# Altium PCB PCB1.PcbDoc (continued)
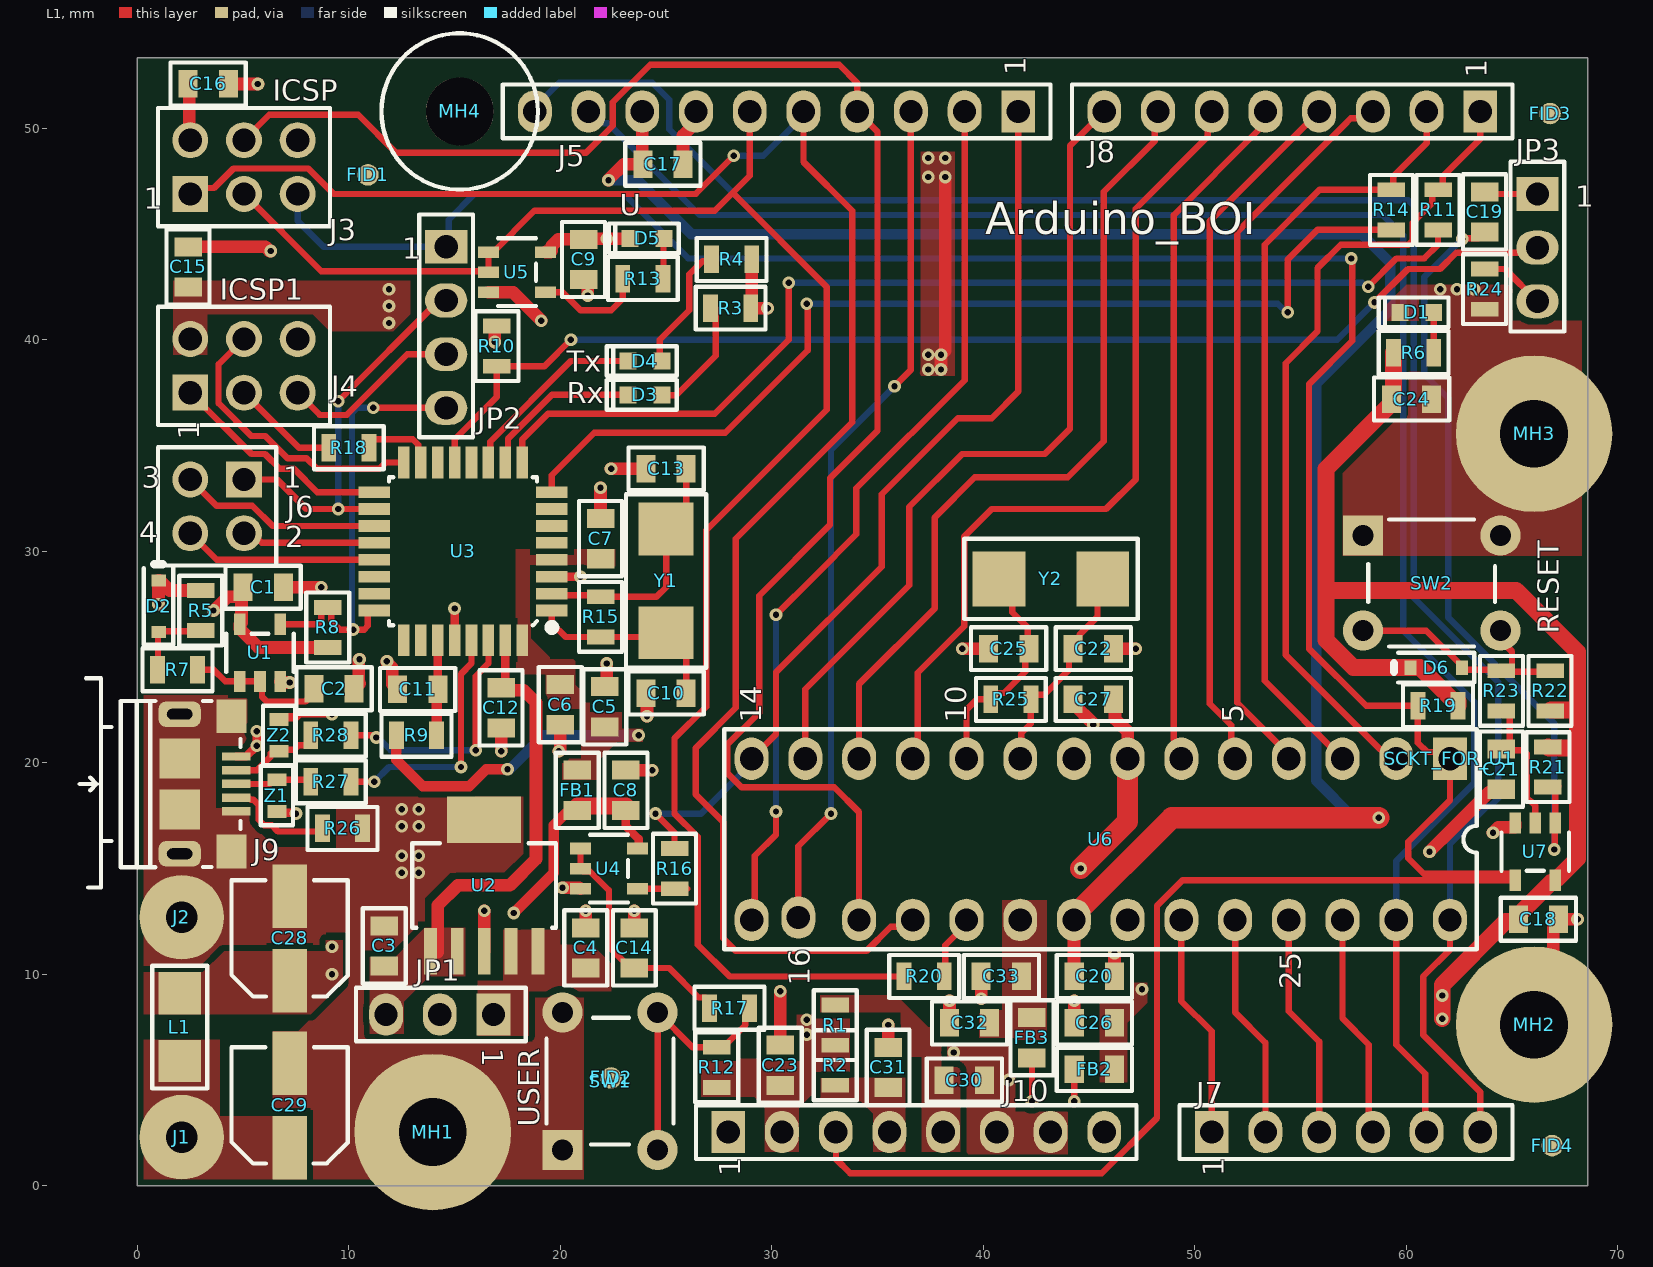
[diagram p0: L1 view]
## Part data (continued)
Z1 Z2: library part varasitor, "ESD Suppressor Multilayer Varistor 5V Automotive 2-Pin Case 0603(1608Metric) T/R", Capacitance=0.5pF, Case Code (Imperial)=0603, Case Code (Metric)=1608, Clamping Voltage=20V, Current Rating=50nA, Manufacturer=Bourns, Max Operating Temperature=85°C, Max Voltage Rating (DC)=5V, Min Operating Temperature=-40°C, Package Quantity=1, Voltage Rating (AC)=8V, Case/Package=0603, Category=Varistors, ComponentLink1Description=https://datasheet.ciiva.com/8084/mlc-8084047.pdf?src-supplier=Avnet, ComponentLink1URL=https://datasheet.ciiva.com/8084/mlc-8084047.pdf?src-supplier=Avnet, Contact Plating=Tin, Depth=0.8mm, Leakage Current=50nA, Length=1.6mm, Manufacturer Part Number=CG0603MLC-05E, Number of Channels=1, Number of Circuits=1, Number of Pins=2, Operating Supply Voltage=5V, Packaging="Tape and Reel", Pricing 1="5000=0.0812, 10000=0.0775, 25000=0.073, 50000=0.0676 (USD)", Radiation Hardening=No, Reach SVHC Compliant=No, RoHS=Yes, RoHS Compliant=Yes, Series=MLC, Stock 1=40000, Supplier 1="Arrow Electronics", Supplier Part Number 1=CG0603MLC-05E, Termination=SMD/SMT, Thickness=0.8mm, Voltage=5V, Voltage Rating (DC)=5V, Width=0.8mm, Working Voltage=5V

## Via types
v1: diameter 0.6, hole 0.3, L1 to L2, 104 vias

## Nets (pads, with @x,y where several pads share a name; then routed paths per layer and width w, separated by ;. In a path a pad name is that pad's centre, name@x,y a point inside that pad or via, vN(x,y) a via of type N, cw(c..) or ccw(c..) an arc to the next point about the centre after c; other vN are vias at no path point)
16U2_16MHz_XTAL1: C10.2 R15.2 U3.1 Y1.2 | length 9.6
  L1 w0.3: U3.1 19.6,26.6 20.25,25.95 R15.2 24.8,25.95 Y1.2 25.95,25.2 C10.2
16U2_16MHz_XTAL2: C13.2 R15.1 U3.2 Y1.1 | length 11.6
  L1 w0.3: U3.2 19.675,27.925 21.825,27.925 R15.1 24.55,27.85 25,28.3 Y1.1 25.95,32 C13.2
16U2_BUF_RESETn: C2.2 R7.2 U1.1 U1.2 | length 6.9
  L1 w0.3: R7.2 3.6,24.4 4.15,23.85 U1.1 U1.2 5.894,23.756 5.894,23.132 6.126,22.9 7.95,22.9 8.35,23.3 C2.2
16U2_HDR_RESETn: J4.5 JP2.3 | length 8.6
  L1 w0.3: J4.5 8.63,36.45 9.897,36.45 12.767,39.32 JP2.3
16U2_MISO: J4.1 U3.17 | length 10.6
  L1 w0.3: J4.1 5.4,34.6 6.035,34.6 6.735,33.9 7.407,33.9 8.507,32.8 U3.17
16U2_MOSI: J4.4 U3.16 | length 13.7
  L1 w0.3: J4.4 3.84,38.84 3.84,37.003 5.391,35.451 6.049,35.451 7.1,34.4 8,34.4 8.5,33.9 11.445,33.9 11.745,34.2 U3.16
16U2_PB4: J6.1 JP2.2 U3.18 | length 18.9
  L1 w0.3: J6.1 6.6,33.4 8,32 v1(9.5,32) U3.18 ; v1(9.5,37.1) 14.26,41.86 JP2.2
  L2 w0.3: v1(9.5,32) v1(9.5,37.1)
16U2_PB5: J6.3 U3.19 | length 9.6
  L1 w0.3: J6.3 3.742,32.158 5.439,32.158 6.397,31.2 U3.19
16U2_PB6: J6.2 U3.20 | length 6.4
  L1 w0.3: J6.2 5.419,30.86 5.879,30.4 U3.20
16U2_PB7: J6.4 U3.21 | length 9.2
  L1 w0.3: J6.4 3.76,29.6 U3.21
16U2_PD2: R14.1 U3.8 | length 48.5
  L1 w0.3: U3.8 19.6,33.6 21.6,35.6 27.8,35.6 31.7,39.5 31.7,41.65 v1(31.65,41.7) ; v1(54.4,41.3) 54.4,43.8 55.8,45.2 R14.1
  L2 w0.3: v1(31.65,41.7) 53.919,41.7 54.319,41.3 v1(54.4,41.3)
16U2_PD3: R11.1 U3.9 | length 50.6
  L1 w0.3: U3.9 18.2,35.286 19.414,36.5 27.3,36.5 30.8,40 v1(30.8,42.7) ; v1(58.196,42.511) 59.535,43.85 60.85,43.85 61.5,44.5 R11.1
  L2 w0.3: v1(30.8,42.7) 57.925,42.7 58.125,42.5 v1@58.185,42.5
16U2_RESETn: JP2.4 R8.1 U1.4 U3.24 | length 21.2
  L1 w0.3: U1.4 8.55,26.55 8.7,26.7 8.7,27.15 R8.1@8.9,27.35 ; R8.1 9.174,27.176 9.174,26.726 9.6,26.3 10.724,26.3 10.9,26.476 10.9,27.075 11.025,27.2 U3.24 ; v1(11.156,36.79) 11.161,36.785 14.595,36.785 JP2.4
  L2 w0.3: v1(10.2,26.3) 10.15,26.35 10.15,36.546 10.394,36.79 v1(11.156,36.79)
16U2_Rx_LED: D3.1 U3.10 | length 7.7
  L1 w0.3: U3.10 17.525,34.325 17.525,35.318 19.607,37.4 20.2,37.4 ; 20.207,37.4 D3.1
16U2_SCLK: J4.3 R18.1 | length 5.1
  L1 w0.3: J4.3 7.64,34.9 R18.1
16U2_SCLKR: R18.2 U3.15 | length 3.6
  L1 w0.3: R18.2 10.95,35.1 11.15,35.3 13.02,35.3 13.275,35.045 13.275,34.325 U3.15
16U2_Tx_LED: D4.1 U3.11 | length 9.1
  L1 w0.3: U3.11 16.681,34.281 16.681,35.181 20.5,39 21.1,39 D4.1
16U2_UCAP: C11.2 R9.1 U3.27 | length 4.5
  L1 w0.3: C11.2@14.15,23.413 C11.2
  L1 w0.4: C11.2 U3.27@14.207,25.793
  L1 w0.5: R9.1 C11.2@14.15,23.413
16U2_VCC: C5.2 C6.2 C7.2 FB1.2 R9.2 U3.4 U3.32 | length 13.7
  L1 w0.5: R9.2 12.25,20.15 13.5,18.9 15.7,18.9 16.5,19.7 v1(17.5,19.7)
  L2 w0.5: v1@17.6,19.7 19.2,21.3 v1@23.4,21.3
  other v1: 23.7,21.3
16U2PROG_328P_RESETn: JP3.2 R10.1 U3.13 | length 56.9
  L1 w0.3: U3.13 15,35.3 17,37.3 R10.1 19.25,38.75 v1(20.5,40) ; v1(58.5,41.771) 60.079,43.35 61.594,43.35 62.361,44.117 65.957,44.117 JP3.2
  L2 w0.3: v1(20.5,40) 56.729,40 v1(58.5,41.771)
328P_16MHz_XTAL1: C22.2 R25.2 U6.9 Y2.2 | length 10.4
  L1 w0.3: U6.9 41.8,20.248 41.8,21.4 42.25,21.85 42.25,23.019 42.45,23.219 42.874,23.219 44.055,24.4 44.055,25.205 44.55,25.7 44.55,26.05 45.4,26.9 45.4,28.45 Y2.2
328P_16MHz_XTAL2: C25.2 R25.1 U6.10 Y2.1 | length 10.9
  L1 w0.3: U6.10 39.205,22.505 39.7,23 R25.1 40.35,23.099 40.55,23.299 40.974,23.299 41.976,24.3 41.976,25.226 C25.2 42.1,25.45 42.1,26.4 41.374,27.126 41.374,28.076 Y2.1
328P_AUTORESETn: C19.1 R21.1 U7.1 | length 36.4
  L1 w0.3: v1(62.643,44.767) 62.676,44.8 63.4,44.8 C19.1 ; v1(67,15.9) 67.025,15.925 67.025,17.125 U7.1 67.05,18.75 R21.1@67.2,18.9
  L2 w0.3: v1(62.643,44.767) 60.85,42.974 60.85,38.378 61.99,37.238 61.99,26.872 67,21.862 v1(67,15.9)
328P_AVCC: C32.2 C33.2 FB3.2 U6.20
328P_BUF_RESETn: C21.2 R23.2 U7.2 | length 6.1
  L1 w0.3: R23.2@64.9,22.4 64.9,20.65 64.95,20.65 65,20.6 65.524,20.6 65.7,20.424 65.7,18.355 65.905,18.15 65.924,18.15 66.1,17.974 U7.2
328P_MISO: J3.1 J5.5 U6.18 | length 85.2
  L1 w0.3: J3.1 2.781,47.181 3.624,47.181 4.543,48.1 8.077,48.1 9.277,46.9 26.4,46.9 v1(28.2,48.7) ; J5.5 31.496,48.411 33.8,46.107 33.8,36.1 28.3,30.6 28.3,22.6 26.4,20.7 26.4,18.5 27.7,17.2 27.7,11.7 28.3,11.1 34.478,11.1 35.624,12.246 36.338,12.246 U6.18
  L2 w0.3: v1(28.2,48.7) 29.596,48.7 31.496,50.6 J5.5
328P_MOSI: J3.4 J5.4 U6.17 | length 81
  L1 w0.3: J3.4 6.24,50.64 10.438,50.64 12.228,48.85 21.212,48.85 22.486,50.124 22.486,51.236 24.25,53 33.181,53 34.036,52.145 J5.4 35,49.836 35,35.7 32.75,33.45 32.75,31.25 29.4,27.9 29.4,22.374 27.895,20.869 27.895,19.517 28.569,18.843 32.957,18.843 34.125,17.675 U6.17
328P_RESETn: J3.5 J10.3 JP2.1 R19.1 U6.1 U7.4 | length 140.2
  L1 w0.3: J10.3 33.034,2.526 33.034,1.266 33.7,0.6 45.606,0.6 48.215,3.209 48.215,13.249 49.416,14.45 U7.4 65.15,14.625 65.025,14.75 60.831,14.75 60.1,15.481 60.1,16.27 62.065,18.235 U6.1 61.749,20.509 60.991,20.509 60.55,20.95 R19.1 58.1,22.7 55.4,25.4 55.4,37.9 57.45,39.95 57.45,43.8 v1(57.4,43.85)
  L2 w0.3: J3.5 7.58,45.62 8.8,44.4 14.718,44.4 14.718,45.68 15.938,46.9 23,46.9 26.05,43.85 v1(57.4,43.85)
328P_SCK: J3.3 J5.6 R20.2 U5.1 U5.2 | length 82.1
  L1 w0.3: J3.3 8.69,43.25 16.55,43.25 U5.2 U5.1 16.825,44.15 18.775,46.1 27.3,46.1 28.15,46.95 ; J5.6 28.956,47.756 28.15,46.95 ; R20.2 28,9.9 26.5,11.4 26.5,16.5 25.4,17.6 25.4,21.155 26.9,22.655 26.9,31 32.6,36.7 32.6,42.5 28.15,46.95
328P_SCKR: R20.1 U6.19 | length 3.1
  L1 w0.3: R20.1 38.2,9.95 38.2,11.368 39.205,12.373 U6.19
328P_SS: J5.3 U6.16 | length 40.3
  L1 w0.3: U6.16 31.255,16.055 v1(32.8,17.6) ; v1(35.8,37.8) 36.576,38.576 J5.3
  L2 w0.3: v1(32.8,17.6) 32.8,34.8 v1(35.8,37.8)
328P_VCC: C26.2 C27.2 FB2.2 U6.7 | length 9.3
  L1 w0.6: C27.2 46.224,22.926 46.224,22.076 46.833,21.467 46.833,20.201 U6.7 U6.7@46.9,20.118
  L1 w1: v1(44.6,15) 46.825,17.225 U6.7
  other v1: 47.5,9.3
+3V3: C4.2 C31.2 J10.4 JP1.1 R2.2 U2.4 U2.5
+5V: C3.2 C12.2 C29.1 C30.2 J1.1 J10.5 JP1.3 L1.2 R1.1 U2.1 U2.2 U3.31 | length 19.3
  L1 w0.4: C12.2@17.4,23.7 U3.31
  L1 w0.5: U2.1@14.12,11.13 14.2,11.05
  L1 w0.6: 14.2,11.05 14.2,13.25 15.162,14.212 17.612,14.212 18.85,15.45 18.85,22.85 18.261,23.439 17.311,23.439 C12.2
+5V/3V3: C1.2 C8.2 C9.2 C15.2 C16.2 C18.2 C23.2 C24.2 D2.1 D5.1 D6.1 FB1.1 FB2.1 FB3.1 J3.2 J4.2 J10.2 JP1.2 R1.2 R2.1 R3.1 R4.2 R5.2 R6.2 R8.2 R10.2 R12.2 R19.2 R21.2 R22.2 U1.5 U4.5 U5.5 U7.5 | length 95.6
  L1 w0.3: v1(42.3,4) FB3.1 ; v1(44.3,4) FB2.1
  L1 w0.4: C8.2@23.1,17.95 23.1,17 23.7,16.4 23.7,16 U4.5
  L1 w0.5: v1(17.8,12.9) 19.693,14.793 19.693,17.043 20.6,17.95 FB1.1@20.8,17.95
  L1 w0.6: v1(1,27.5) D2.1 1.064,28.619 1.533,28.15 R5.2 ; C16.2 2.45,52.05 2.45,49.49 J3.2 ; v1(3.6,27.2) 3.616,27.2 4.266,27.85 4.75,27.85 C1.2@4.925,28.025 ; C1.2@4.925,28.225 C1.2 5,28.1 C1.2@4.925,28.025 ; R8.2 5.725,25.45 4.85,26.325 U1.5 4.925,26.625 C1.2@4.925,28.025 ; v1(16.9,39.9) 16.9,40.6 16.95,40.65 R10.2 ; U5.5 19.525,44.15 19.6,44.225 19.6,44.45 19.9,44.75 C9.2 21.125,44.775 v1(22.2,44.775) 23.275,44.775 D5.1 ; R4.2 29.05,41.55 R3.1 v1(29.8,41.5)
  L1 w0.8: FB1.1@20.8,17.95 C8.2@23.1,17.95 ; R6.2 59.4,37.5 59.3,37.4 C24.2 59.3,37 56.2,33.9 56.2,28.3 ; v1(61.7,7.9) 61.7,9.5 64.7,12.5 65.25,12.5 65.3,12.55 C18.2 65.3,12.8 U7.5@66.85,14.35 ; R19.2 62.45,22.9 62.4,22.95 62.2,22.95 60.65,24.5 57.508,24.5 56.2,25.808 56.2,28.3 ; R21.2 66.75,20.7 68.1,20.7 ; R22.2@66.85,22.5 68.1,22.5 ; U7.5@67.175,14.55 68.1,15.475 68.1,20.7 ; 56.2,28.3 56.35,28.15 65.199,28.15 68.1,25.249 68.1,22.5 ; 68.1,20.7 68.1,22.5
  other v1: 31.657,7.15 31.657,7.85 61.7,9 11.9,40.8 11.9,41.6 11.9,42.4
+5V_USB: C28.1 J9.1 L1.1 | length 1.9
  L1 w0.4: J9.1 5.145,20.3 v1(5.65,20.805) v1(5.65,21.5)
  other v1: 9.2,10 9.2,11.3
+AREF: C17.2 C20.2 J5.8 U6.21 | length 91.9
  L1 w0.6: v1(22.274,47.55) 22.274,47.574 23,48.3 C17.2 23.876,48.324 J5.8 ; U6.21@44.285,12.773 U6.21 44.285,9.915 C20.2
  L1 w1: U6.21@44.285,12.773 48.912,17.4 v1(58.7,17.4)
  L2 w0.5: v1(22.274,47.55) 23.65,47.55 26.2,45 57.9,45 59.25,43.65 59.25,41.431 55.735,37.916 55.735,19.165 57.5,17.4 v1(58.7,17.4)
AD0: J7.1 U6.23 | length 10.6
  L1 w0.3: U6.23 49.365,8.735 50.8,7.3 J7.1
AD1: J7.2 U6.24 | length 10.6
  L1 w0.3: U6.24 51.905,8.195 53.34,6.76 J7.2
AD2: J7.3 U6.25 | length 10.6
  L1 w0.3: U6.25 54.445,8.255 55.88,6.82 J7.3
AD3: J7.4 U6.26 | length 10.6
  L1 w0.3: U6.26 56.985,7.915 58.231,6.669 58.231,2.729 J7.4
AD4/SDA: J5.9 J7.5 U6.27 | length 86.9
  L1 w0.3: U6.27 59.525,6.675 60.9,5.3 60.9,2.6 J7.5
  L2 w0.3: J5.9 21.488,50.8 22.04,50.248 22.252,50.248 26.6,45.9 58.9,45.9 59.85,44.95 59.85,26.25 63.215,22.885 63.215,19.048 59.525,15.358 U6.27
AD5/SCL: J5.10 J7.6 U6.28 | length 93.6
  L1 w0.3: U6.28 62.065,11.165 60.8,9.9 60.8,7.132 63.5,4.432 J7.6
  L2 w0.3: J5.10 18.796,51 19.946,52.15 24.352,52.15 25.146,51.356 25.146,49.954 28.5,46.6 60.1,46.6 60.35,46.35 60.35,27.804 64.35,23.804 64.35,18.331 63.969,17.95 63.833,17.95 62.065,16.182 U6.28
BUTTON_RESETn: D6.2 R22.1 R23.1 SW2.3 SW2.4 | length 12.3
  L1 w0.3: SW2.3 60.952,26.25 62.638,24.563 D6.2 62.738,24.4 64.8,24.4 R23.1@64.9,24.3 ; SW2.4 64.45,25.817 65,25.267 65,24.4 R23.1@64.9,24.3 ; R22.1@67.2,24.3 R23.1@64.9,24.3
CON_USB_N: J9.2 R28.1 Z2.2 | length 4.5
  L1 w0.3: J9.2 5.65,19.65 6.3,20.3 6.3,20.45 6.468,20.618 7.418,20.618 7.632,20.832 8,20.832 8.2,21.032 R28.1
CON_USB_P: J9.3 R27.1 Z1.2 | length 3.6
  L1 w0.3: J9.3 6.25,19 6.45,19.2 Z1.2 8.1,19.2 R27.1
GND: C1.1 C2.1 C3.1 C4.1 C5.1 C6.1 C7.1 C8.1 C9.1 C10.1 C11.1 C12.1 C13.1 C14.1 C15.1 C16.1 C17.1 C18.1 C20.1 C21.1 C22.1 C23.1 C24.1 C25.1 C26.1 C27.1 C28.2 C29.2 C30.1 C31.1 C32.1 C33.1 D1.1 J2.1 J3.6 J4.6 J5.7 J9.5 J9.6 J9.7 J9.8 J9.9 J9.10 J9.11 J10.6 J10.7 MH1.1 MH2.1 MH3.1 R24.1 R26.2 SW1.1 SW1.2 SW2.1 SW2.2 U1.3 U2.3 U2.6 U3.3 U3.28 U4.3 U5.3 U6.8 U6.22 U7.3 Z1.1 Z2.1 | length 70.8
  L1 w0.4: Z1.1 6.662,17.638 7.462,17.638 v1(7.5,17.6) ; Z2.1 6.8,22.15 7.484,22.15 7.684,22.35 9.096,22.35 9.146,22.3 v1(9.2,22.3) ; U3.28 v1(15,27.3) ; U3.3 v1(20.95,28.8)
  L1 w0.6: C15.1 6.046,44.4 6.246,44.2 v1(6.3,44.2) ; C16.1 v1(5.7,52.1) ; U1.3 6.8,23.8 v1(7.2,23.8) ; C1.1 v1(8.7,28.3) ; C2.1 10.5,23.75 10.462,23.788 10.462,24.862 v1(10.5,24.9) ; v1(11.8,24.8) 11.8,24.746 12.057,24.489 12.057,23.72 C11.1 ; U2.3 v1(16.4,13) ; U5.3 17.766,42.25 19.1,40.916 v1(19.1,40.9) ; v1(17.2,20.55) C12.1 ; v1(19.932,20.55) 20,20.618 C6.1 ; v1(20.1,14.1) 20.9,14.1 U4.3 ; C9.1 21.15,42.85 21.3,42.7 v1(21.3,42.1) ; C4.1 v1(21.2,13) ; C7.1 v1(21.9,33) ; C5.1 22.2,23.7 v1(22.2,24.7) ; v1(22.4,33.9) C13.1 ; C8.1 v1(24.35,19.65) ; C14.1 v1(23.5,13) ; C10.1 24.1,23.25 v1(24.1,22.2) ; C17.1 25.8,49.659 26.416,50.275 J5.7 ; C23.1 30.394,6.656 30.394,9.194 v1(30.4,9.2) ; C31.1 v1(35.5,7.6) ; v1(38,38.6) v1(38,39.3) 38.2,39.5 v1(38.2,47.7) ; C32.1 v1(38.4,8.75) ; v1(39,25.4) C25.1 ; v1(39.9,8.85) C33.1 ; C27.1 44.25,22.8 45.2,21.85 v1(45.2,21.8) ; C26.1 v1(44.3,8.75) ; C22.1 v1(47.2,25.4) ; C20.1 v1(46.2,11) ; v1(61.1,15.8) 62.161,16.861 63.9,18.6 64.55,18.6 C21.1@64.8,18.85 ; v1(64.1,16.7) 64.35,16.95 65.125,16.95 65.15,16.975 U7.3 ; MH2.1 66.95,8.53 66.95,12.35 C18.1 v1(68.1,12.6)
  other v1: 41.2,5 38.6,6.3 12.5,14.8 13.3,14.8 12.5,15.6 13.3,15.6 12.5,17 13.3,17 12.5,17.8 13.3,17.8 37.4,38.6 37.4,39.3 61.6,42.4 62.4,42.4 63.2,42.4 37.4,47.7 37.4,48.6 38.2,48.6
IO0/Rx: J8.1 R11.2 U6.2 | length 38.7
  L1 w0.3: U6.2 59.076,20.642 58.758,20.642 54.3,25.1 54.3,38.9 55.8,40.4 55.8,43.4 56.9,44.5 60.095,44.5 60.3,44.705 60.3,45.545 61.226,46.471 61.226,46.95 61.426,47.15 R11.2@61.5,47.15 ; R11.2@61.574,47.15 61.724,47.3 61.724,47.724 63.5,49.5 J8.1
IO1/Tx: J8.2 R14.2 U6.3 | length 37.3
  L1 w0.3: U6.3 53.3,23.878 53.3,44.5 55.896,47.096 59.296,47.096 59.376,47.176 59.376,47.724 60.96,49.308 J8.2
IO2: J8.3 U6.4 | length 34.7
  L1 w0.3: U6.4 54.445,20.393 52,22.838 52,45.1 56.35,49.45 56.356,49.45 57.03,50.124 57.03,50.13 57.376,50.476 58.096,50.476 J8.3
"IO3 ~": J8.4 U6.5 | length 33.3
  L1 w0.3: U6.5 51.722,20.376 51.722,21.778 50.7,22.8 50.7,45.62 J8.4
IO4: J8.5 U6.6 | length 32.6
  L1 w0.3: U6.6 49.365,20.745 49,21.11 49,45.9 52.936,49.836 52.936,49.844 53.34,50.248 J8.5
"IO5 ~": J8.6 U6.11 | length 39.6
  L1 w0.3: U6.11 36.9,20.428 36.9,24.264 39.1,26.464 39.1,30.7 40.4,32 45.8,32 47.2,33.4 47.2,46.2 50.616,49.616 50.616,50.616 J8.6
"IO6 ~": J8.7 U6.12 | length 39
  L1 w0.3: U6.12 34.125,23.725 37.7,27.3 37.7,31.6 39.6,33.5 44,33.5 45.7,35.2 45.7,47 48.1,49.4 48.1,50.64 J8.7
IO7: J8.8 U6.13 | length 38.7
  L1 w0.3: U6.13 31.585,23.485 36.5,28.4 36.5,32.1 39,34.6 42.9,34.6 44.1,35.8 44.1,49.18 J8.8
IO8: J5.1 R16.2 U6.14 | length 44.5
  L1 w0.3: v1(24.5,17.6) 25.4,16.7 R16.2 ; U6.14 30.2,21.348 30.2,24.279 35.2,29.279 35.2,32.7 38.8,36.3 40.4,36.3 41.656,37.556 J5.1
  L2 w0.3: v1(24.5,17.6) 26.652,17.6 29.045,19.993 U6.14
IO9: J5.2 U6.15 | length 42.4
  L1 w0.3: U6.15 29.2,12.728 29.2,15.6 30.2,16.6 v1(30.2,17.7) ; v1(30.2,27) 32.029,28.829 34,30.8 34,32.979 39.116,38.095 J5.2
  L2 w0.3: v1(30.2,17.7) v1(30.2,27)
NetC19_2: C19.2 JP3.1 | length 2.5
  L1 w0.3: C19.2 63.8,46.9 JP3.1
NetD1_2: D1.2 R6.1 | length 1.9
  L1 w0.3: R6.1 D1.2
NetD2_2: D2.2 R5.1 R7.1 | length 3.8
  L1 w0.3: R7.1 0.975,24.425 0.975,26.156 D2.2 1.035,26.215 2.965,26.215 R5.1
NetD3_2: D3.2 R3.2 | length 5.5
  L1 w0.3: D3.2@24.842,37.3 24.916,37.374 25.474,37.374 27.35,39.25 ; 27.35,39.3 R3.2@27.35,41.5
NetD4_2: D4.2 R4.1 | length 6.3
  L1 w0.3: D4.2@24.7,38.9 24.7,40 26.1,41.4 26.1,43.1 26.726,43.726 27.276,43.726 R4.1@27.35,43.8
NetD5_2: D5.2 R13.2 | length 1.9
  L1 w0.3: R13.2 24.875,42.925 24.875,44.775 D5.2
NetJ9_4: J9.4 R26.1 | length 5.2
  L1 w0.3: J9.4 4.725,18.3 5.321,18.3 5.371,18.25 5.49,18.25 5.748,17.992 5.748,17.308 6.005,17.05 6.35,17.05 6.65,16.75 8.6,16.75 R26.1
NetJP3_3: JP3.3 R24.2 | length 3.1
  L1 w0.3: R24.2 64.67,43.35 JP3.3
NetR13_1: R13.1 U5.4 | length 5.2
  L1 w0.3: U5.4 20.105,42.25 20.955,41.4 22.4,41.4 22.95,41.95 R13.1
NetR16_1: R16.1 U4.4 | length 2.3
  L1 w0.3: U4.4 R16.1@26,14.05
USB_N: R28.2 U3.30 | length 11.6
  L1 w0.3: R28.2 11.119,21.3 11.219,21.2 v1(11.3,21.2) ; v1(16,20.6) 16,24.1 16.6,24.7 U3.30
  L2 w0.3: v1(11.3,21.2) 11.373,21.2 11.973,20.6 v1(16,20.6)
USB_P: R27.2 U3.29 | length 11.7
  L1 w0.3: R27.2 v1(11.2,19.1) ; v1(15.3,19.8) 15.3,24.2 15.8,24.7 U3.29
  L2 w0.3: v1(11.2,19.1) 11.9,19.8 v1(15.3,19.8)
USER_BUTTON: R12.1 R17.1 SW1.3 SW1.4 | length 12.7
  L1 w0.3: SW1.3 SW1.4 26.25,6.55 R12.1 27.7,6.55 28.75,7.6 28.75,8.2 R17.1
USER_BUTTON_BUF: C14.2 R17.2 U4.1 U4.2 | length 11.5
  L1 w0.3: U4.1 U4.2 21.075,14.875 21.395,14.875 22.297,13.972 22.297,11.303 23.3,10.3 C14.2 25.15,10.3 26.55,8.9 26.85,8.9 27.05,8.7 R17.2
pads on no net: FID1.1 FID2.1 FID3.1 FID4.1 J10.1 J10.8 MH4.1 U3.5 U3.6 U3.7 U3.12 U3.14 U3.22 U3.23 U3.25 U3.26

## Polygon pours and split planes (outlines as drawn)
GND on L2 "GND_L02_P009" (solid, remove dead copper, pour order 9): 0.3,50.5 5.3,50.5 5.3,22 6.2,22 6.2,18.6 8.3,16.5 8.8,16.5 8.8,12.3 9.8,12.3 9.8,11.7 15.3,11.7 16.8,13.2 19.3,13.2 21.4,11.1 27.513,11.1 29.86,8.9 33.8,8.9 38.25,4.45 50.55,4.45 56.4,10.3 62.7,10.3 65.1,12.7 65.1,18.4 61.5,18.4 60.1,17 57.3,17 55,19.3 55,39.3 32.2,39.3 17.2,39.3 16.3,38.4 11.3,38.4 11.3,53 11.4,53.1 0.3,53.1
+5V/3V3 on L2 "+5V/3V3_L02_P007" (solid, remove dead copper, pour order 7): 15.6,43.3 11.4,43.3 11.5,38.6 16.1,38.6 18.4,40.9 18.4,43.6 20.9,43.6 24.2,40.3 30.7,40.3 30.7,43.6 25,43.6 22.1,46.5 18.2,46.5 16.2,44.2 16.2,43.3
+5V_USB on L2 "+5V_USB_L02_P006" (solid, remove dead copper, pour order 6): 9.6,9.9 9.6,12.2 8.6,12.2 8.6,16.2 8.2,16.2 6,18.4 6,21.8 5.4,21.8 5.4,21.7 5.4,17.2 7.7,14.9 7.7,9.9
+5V/3V3 on L2 "+5V/3V3_L02_P005" (solid, remove dead copper, pour order 5): 0.3,6 7.7,6 11.1,9.4 12.8,9.4 12.8,7.3 15.267,7.3 15.267,8.967 16.3,10 22.4,10 23.6,8.8 24.2,9.4 25.8,9.4 25.8,7 27.9,4.9 34.6,4.9 35.7,3.8 39.8,3.8 39.8,0.5 62.4,0.5 62.4,9.1 62.4,10 61.7,10 56.4,10 50.5,4.3 38.2,4.3 33.7,8.8 29.7,8.8 27.45,10.9 21.3,10.9 19.2,13 17.1,13 15.267,11.5 14.5,11.5 9.9,11.5 9.9,9.6 7.4,9.6 7.4,14.7 5.1,17 5.1,50.2 1.4,50.2 0.3,49.1
328P_VCC on L2 "328P_VCC_L02_P002" (solid, remove dead copper, pour order 2): 46.3,13.6 47.5,13.6 48.1,13 47.9,12.8 47.9,10 47.8,10 47.2,9.4 47.226,9.374 47.226,8.949 50.629,8.949 50.64,8.938 50.726,9.024 50.726,15.9 44.3,15.9 44.3,14.4 45.5,14.4
+5V/3V3 on L2 "+5V/3V3_L02_P023" (solid, remove dead copper, pour order 23): 29.7,1.6 31.3,1.6 31.3,3.5 32,4.2 32,5.4 33.7,5.4 33.7,8.1 31.4,8.1 31.4,5.9 26.7,5.9 26.7,4.3 28.9,4.3 29.7,3.5
GND on L2 "GND_L02_P015" (solid, remove dead copper, pour order 15): 68.3,47.1 68.3,30.4 62.5,30.4 62.4,30.5 62.4,37.4 61.3,38.5 61.3,42.7 64.1,45.5 64.1,47.1
GND on L2 "GND_L02_P014" (solid, remove dead copper, pour order 14): 62.4,0.9 68.3,0.9 68.3,12.9 65.3,12.9 62.4,10
GND on L2 "GND_L02_P010" (solid, remove dead copper, pour order 10): 18.6,39.3 18.6,43.5 20.8,43.5 24.9,39.4 24.9,39.3 18.6,39.3
GND on L2 "GND_L02_P008" (solid, remove dead copper, pour order 8): 25.8,53 68.3,53 68.3,47.1 28.3,47.1 25.8,49.6
+3V3 on L2 "+3V3_L02_P004" (solid, remove dead copper, pour order 4): 15.6,6.9 15.6,9.8 22.093,9.8 27.828,4.6 36.5,4.6 36.5,2 28.3,1.7 24.636,4.9 20.487,4.9 18.313,6.9
+5V on L2 "+5V_L02_P003" (solid, remove dead copper, pour order 3): 0.3,5.7 7.8,5.7 11.2,9.1 12.5,9.1 12.5,6.7 18.182,6.7 20.473,4.6 24.5,4.6 26.5,2.9 26.5,1.3 36.2,1.3 36.9,2 36.9,3.5 39.5,3.5 39.5,0.4 0.3,0.4
GND on L1 "GND_L01_P035" (solid, remove dead copper, pour order 35): 0.3,10.4 3,10.4 4,11.4 8.9,11.4 8.9,11.6 8.9,12 9.9,12 9.9,9.6 7.6,7.3 6.4,7.3 6.4,3.8 6.5,3.7 8.2,3.7 8.2,0.3 21.1,0.3 21.1,9 18.7,9 18.7,6.8 10.9,6.8 10.9,10.9 10.8,11 12.3,11 13.6,12.3 13.6,13.6 14.8,14.8 17.4,14.8 18.5,15.9 18.5,18.4 9.4,18.4 9.4,16 6.5,16 5.4,17.1 5.4,18 3.9,18 3.9,20.8 4.9,20.8 5.2,21.1 5.2,23 5,23.2 0.3,23.2
GND on L1 "GND_L01_P033" (solid, remove dead copper, pour order 33): 57,29.8 68.3,29.8 68.3,40.9 65,40.9 65,42.6 60,42.6 58.9,41.5 58.9,40.9 60.7,40.9 60.7,41.8 62,41.8 62,38.5 60.1,38.5 60.1,36.4 59.5,36.4 57,33.9
16U2_VCC on L1 "16U2_VCC_L01_P030" (solid, remove dead copper, pour order 30): 20.1,19.2 21.8,19.2 21.8,20.1 22.7,21 23.9,21 23.9,21.6 22.9,21.6 22.9,22.4 21.4,22.4 21.4,23 20.7,23.7 20.7,24.8 20.6,24.9 19.5,24.9 19.5,25 18.6,25.9 18.6,29.3 22.6,29.3 22.6,30.1 17.9,30.1 17.9,24.2 19.3,24.2 19.3,22.3 21,22.3 21,20.2 20.1,20.2
+5V_USB on L1 "+5V_USB_L01_P017" (solid, remove dead copper, pour order 17): 0.3,8.1 8.2,8.1 9.7,9.6 9.7,11.6 8.9,11.6 8.9,11.1 4.1,11.1 3.1,10.1 0.3,10.1
GND on L1 "GND_L01_P034" (solid, remove dead copper, pour order 34): 38.7,48.9 38.7,38.3 37,38.3 37,48.9
328P_VCC on L1 "328P_VCC_L01_P032" (solid, remove dead copper, pour order 32): 45.5,4.9 46.8,4.9 46.8,7.7 47.8,8.7 47.8,9.6 46.8,9.6 46.8,9.1 45.5,9.1
328P_AVCC on L1 "328P_AVCC_L01_P031" (solid, remove dead copper, pour order 31): 40.9,13.5 43,13.5 43,6.9 39.8,6.9 39.8,8.3 40.9,8.3
+5V on L1 "+5V_L01_P027" (solid, remove dead copper, pour order 27): 37.1,1.6 38.9,1.6 38.9,5.6 38,5.6 38,6.8 37.6,6.8 37.6,7.5 37.4,7.5 35.9,9 32.3,9 32.3,8.2 36.1,8.2 36.1,7.3 36.5,7.3 36.5,6.1 37.1,6.1
GND on L1 "GND_L01_P029" (solid, remove dead copper, pour order 29): 44,1.5 44,3.5 41.5,3.5 41.5,6.7 38.3,6.7 38.3,5.8 39.1,5.8 39.1,1.5
+5V/3V3 on L1 "+5V/3V3_L01_P028" (solid, remove dead copper, pour order 28): 29.675,2.599 29.675,1.599 31.275,1.599 31.275,3.699 32.175,4.599 32.175,5.199 33.675,5.199 33.675,8.099 31.175,8.099 31.175,5.999 26.675,5.999 26.675,4.199 29.175,4.199 29.675,3.699
+3V3 on L1 "+3V3_L01_P024" (solid, remove dead copper, pour order 24): 36.3,5.1 32.3,5.1 32.3,4 34.2,4 34.8,3.4 34.8,1.6 36.3,1.6
+5V/3V3 on L1 "+5V/3V3_L01_P021" (solid, remove dead copper, pour order 21): 1.7,39.3 3.3,39.3 3.3,41.2 8.3,41.2 9.1,40.4 12.1,40.4 12.9,41.2 12.9,42.8 1.7,42.8
+5V on L1 "+5V_L01_P019" (solid, remove dead copper, pour order 19): 11,7.2 12.6,7.2 12.6,8.7 13.8,9.9 15.5,9.9 15.5,12.2 13.6,12.2 12.2,10.8 11,10.8
+3V3 on L1 "+3V3_L01_P018" (solid, remove dead copper, pour order 18): 16.1,9.7 16.1,7.1 18.5,7.1 18.5,9.2 22.4,9.2 22.4,10.5 21.5,11.4 20,11.4 20,12.1 17.3,12.1 17.3,9.7
+5V on L1 "+5V_L01_P016" (solid, remove dead copper, pour order 16): 0.3,0.3 8,0.3 8,3.3 3.9,3.3 3.9,6.9 0.3,6.9 0.3,4.1

## Silkscreen, mask and mechanical layers (free items; w line width, h text height)
Top Overlay:
  text "ICSP" at 6.4,51.3 h1
  text "U" at 22.8,45.9 h1
  text "Arduino_BOI" at 40.1,45 h1.52
  text "ICSP1" at 3.9,41.9 h1
  text "Tx" at 20.3,38.5 h1
  text "Rx" at 20.3,37 h1
  text "3" at 0.2,33 h1
  text "4" at 0.1,30.4 h1
  text "2" at 7,30.2 h1
  text "RESET" at 67.2,26.1 h1 r90
  text "14" at 29.5,21.9 h1 r90
  text "10" at 39.2,21.9 h1 r90
  text "5" at 52.3,21.9 h1 r90
  text "16" at 31.784,9.451 h1 r90
  text "25" at 55,9.3 h1 r90
  text "USER" at 19,2.8 h1 r90
Bottom Overlay:
  text "7" at 46.346,48.154 h1.52 r90
  text "4" at 54.246,48.154 h1.52 r90
  text "2" at 59.046,48.154 h1.52 r90
  text "8" at 42.446,48.054 h1.52 r90
  text "13" at 29.746,46.654 h1.52 r90
  text "12" at 32.346,46.654 h1.52 r90
  text "~5" at 51.746,46.654 h1.52 r90
  text "~3" at 56.746,46.654 h1.52 r90
  text "~6" at 49.046,46.554 h1.52 r90
  text "~9" at 40.046,46.454 h1.52 r90
  text "~11" at 34.846,45.754 h1.52 r90
  text "~10" at 37.446,45.254 h1.52 r90
  text "GND" at 27.346,44.954 h1.52 r90
  text "AREF" at 24.546,43.554 h1.52 r90
  text "(Tx)1" at 61.746,43.054 h1.52 r90
  text "(Rx)0" at 64.246,42.554 h1.52 r90
  text "SDA/AD4" at 22.046,39.054 h1.52 r90
  text "SCL/AD5" at 19.446,38.854 h1.52 r90
  text "AR/DF" at 67.146,32.854 h1.52 r90
  text "+3.3V" at 17.546,9.854 h1.52 r90
  text "+5V" at 12.546,9.554 h1.52 r90
  text "-" at 2.408,9.254 h1.52 r90
  text "+" at 1.254,4.3 h1.52
  text "NC" at 46.446,4.154 h1.52 r90
  text "+5V/3V3" at 31.146,4.054 h1.52 r90
  text "RESET" at 33.646,4.054 h1.52 r90
  text "GND" at 41.146,4.054 h1.52 r90
  text "GND" at 43.846,4.054 h1.52 r90
  text "AD0" at 51.546,4.054 h1.52 r90
  text "AD1" at 53.946,4.054 h1.52 r90
  text "AD2" at 56.546,4.054 h1.52 r90
  text "AD3" at 59.046,4.054 h1.52 r90
  text "AD4" at 61.546,4.054 h1.52 r90
  text "AD5" at 64.146,4.054 h1.52 r90
  text "NC" at 28.746,3.954 h1.52 r90
  text "+3.3v" at 36.246,3.854 h1.52 r90
  text "+5v" at 38.646,3.854 h1.52 r90
  text "I/P" at 14.846,2.554 h1.52 r90
  text "+5V Input" at 4.338,1.754 h1.52 r90
  text "(Optional)" at 6.538,1.654 h1.52 r90
ASM Top:
  text "Assembly top of Arduino_BOI" at 18.154,56.462 h1.52

## Text inside footprints (layer, text, board x,y; h text height)
J3: Top Overlay "1" at 0.3,46.2 h1
J4: Top Overlay "1" at 2.935,35.287 h1 r90
J5: Top Overlay "1" at 42,52.5 h1 r90
J6: Top Overlay "1" at 6.9,33 h1
J7: Top Overlay "1" at 51.362,0.454 h1 r90
J8: Top Overlay "1" at 63.8,52.4 h1 r90
J10: Top Overlay "1" at 28.502,0.454 h1 r90
JP1: Top Overlay "1" at 16.3,6.5 h1 r270
JP2: Top Overlay "1" at 12.514,43.838 h1
JP3: Top Overlay "1" at 68,46.3 h1